# Altium PCB Length Bar Comparator.PcbDoc (part 2 of 6) (continued)
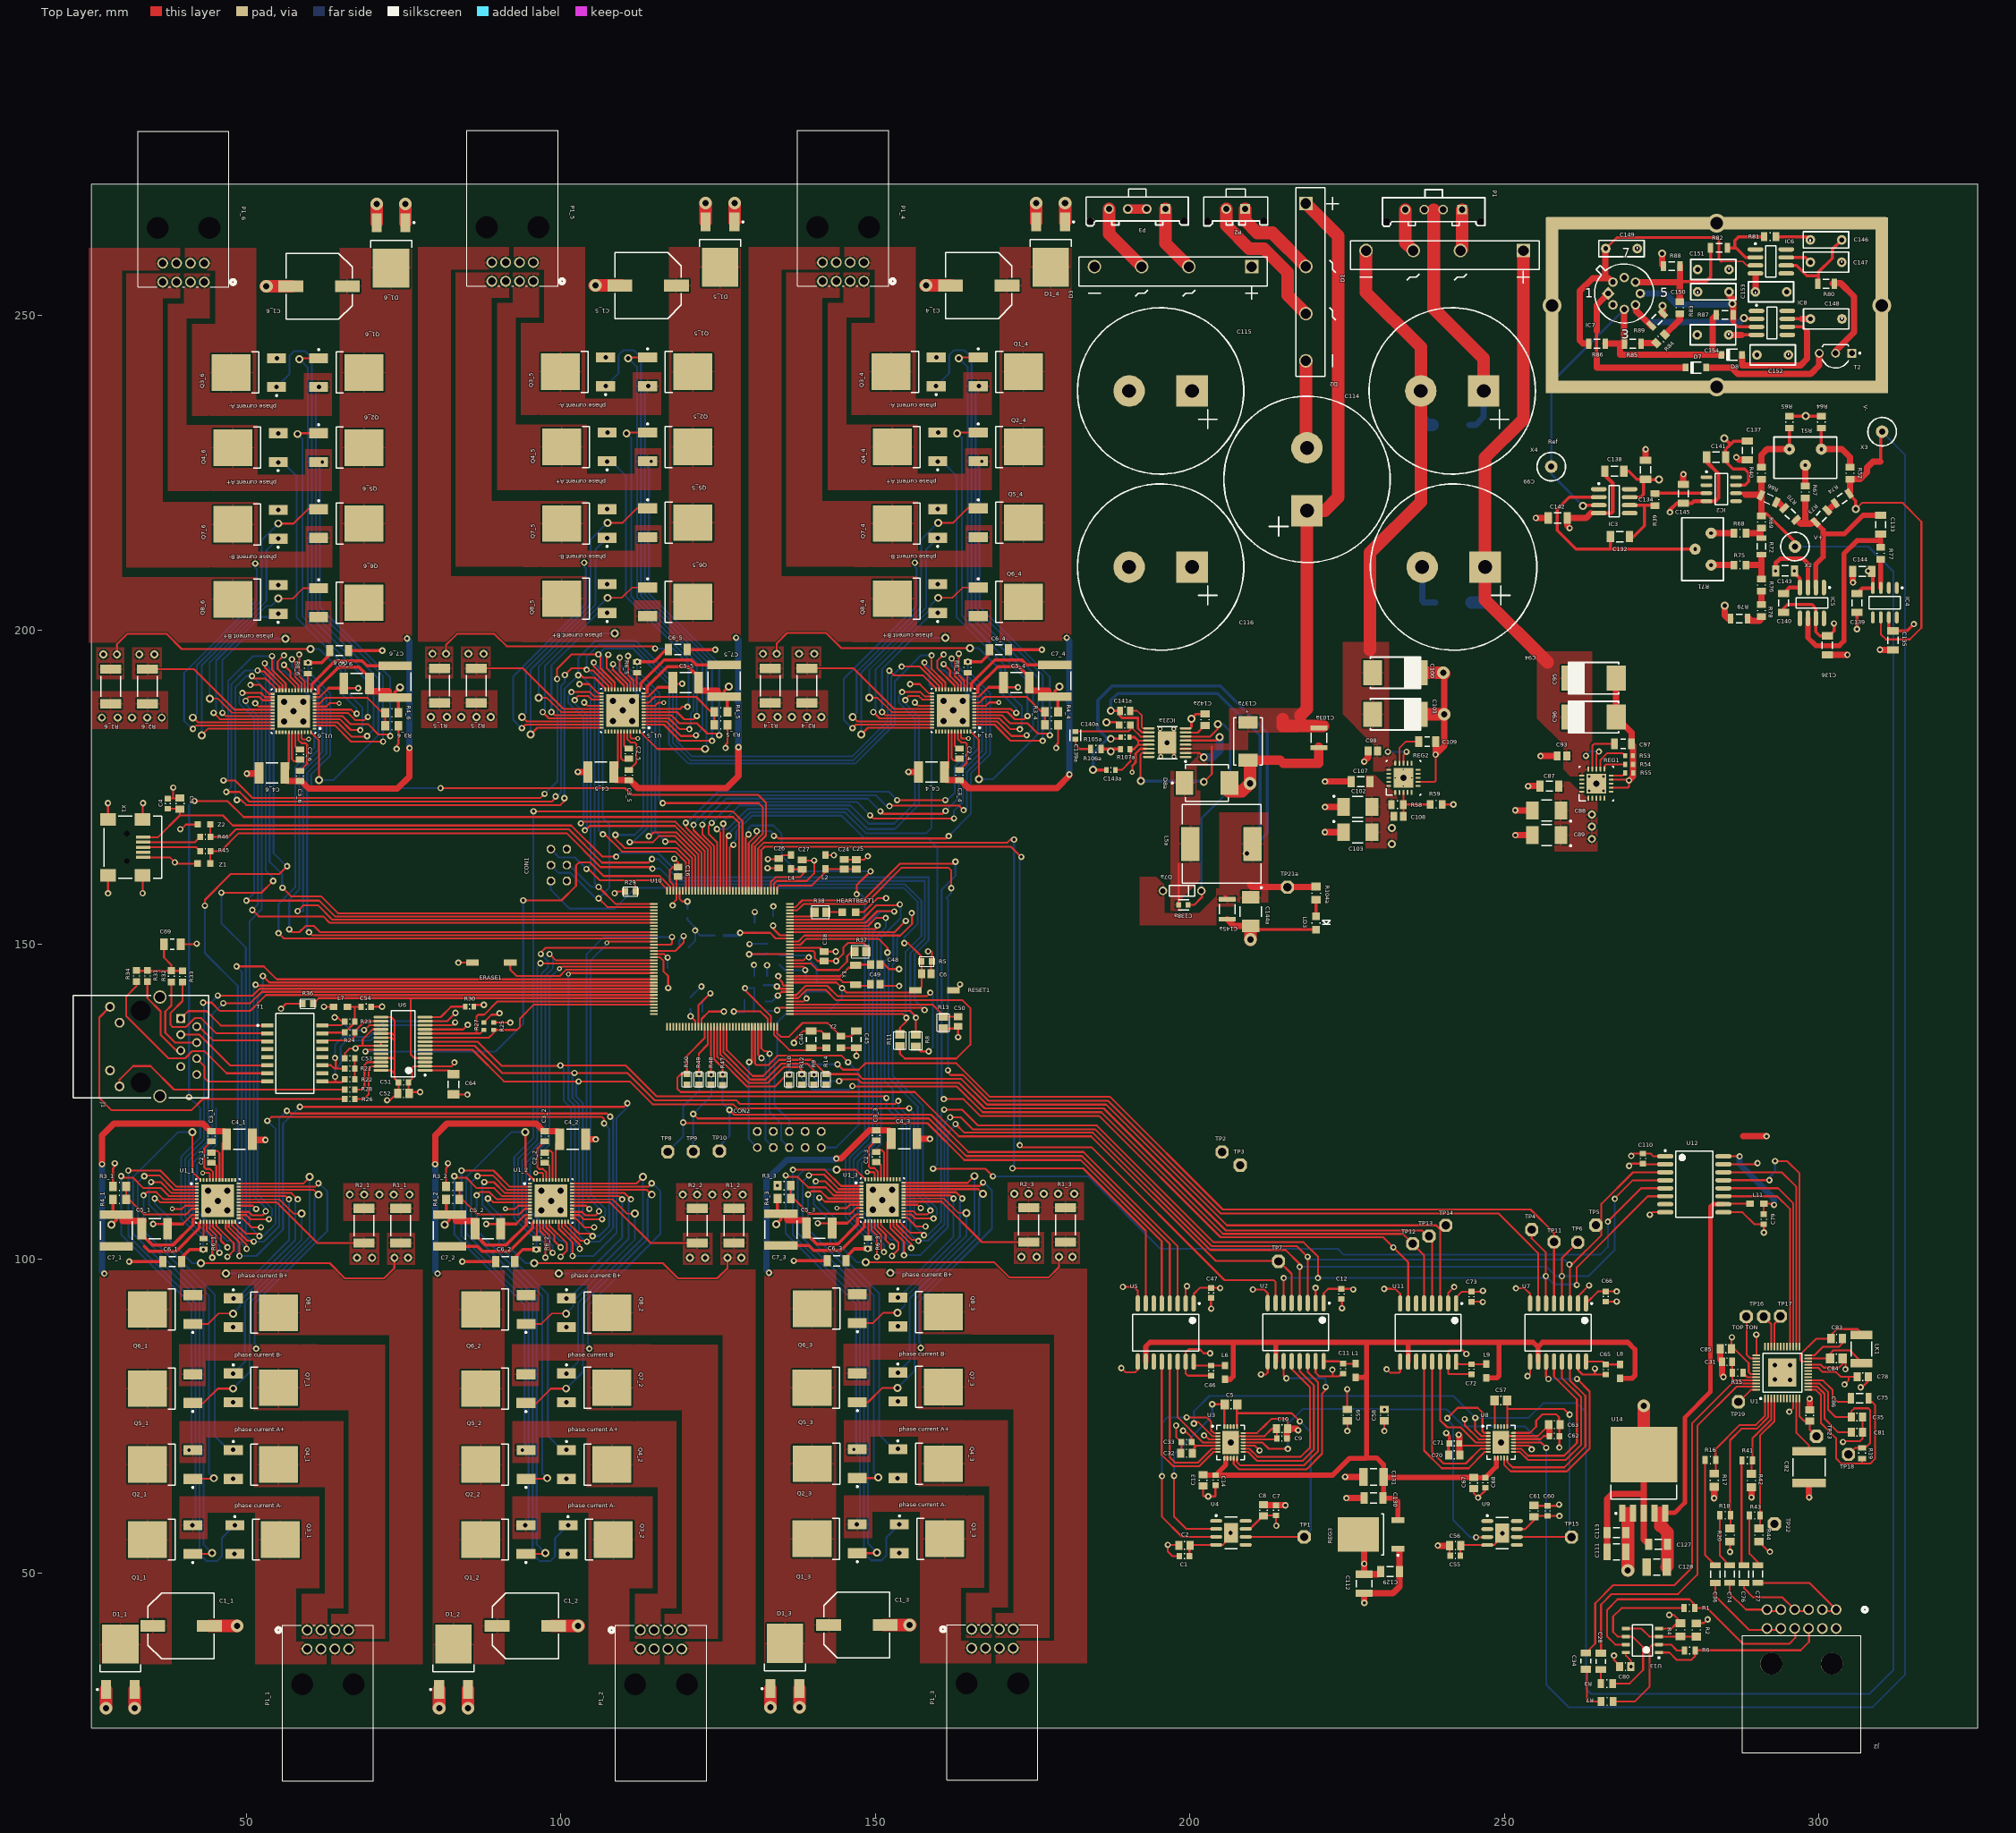
[diagram p0: Top Layer view]
## Part data (continued)
R1 R6: library part CMP-1013-00816-1, "510K 0.125W 1% 0805 (2012 Metric)  SMD", Case-EIA=0805, Case-Metric=2012, Power="0.125 W", Tolerance="1 %", Technology=SMT
R1_1 R1_2 R1_3 R1_4 R1_5 R1_6 R2_1 R2_2 R2_3 R2_4 R2_5 R2_6: library part CMP-2000-07420-1, "Chip Resistor, 50 mOhm, +/- 1%, 1 W, -65 to 170 degC, 2512 (6432 Metric), RoHS, Tape and Reel", Manufacturer=Vishay, Package Description="2-Pin Surface Mount Device, Body 6.35 x 3.18 mm", Package Reference=2512, Power Rating=1W, Resistance=0.05ohm, Resistance Tolerance=±1%, Resistor Case Style=2512[6432Metric], Resistor Element Type=MetalStrip, Temperature Coefficient=±75ppm/°C, Automotive Qualification Standard=AEC-Q200, Datasheet URL=http://www.vishay.com/docs/30100/wsl.pdf, Datasheet Version=07/2016, Manufacturer URL=http://www.vishay.com/, Mounting Technology=SurfaceMount, MSL=MSL1-Unlimited, Packaging=CutTape, Product Range=WSLSeries, SVHC=NoSVHC(15-Jun-2015)
R2 R4: library part CMP-1013-00623-1, "10K 0.125W 1% 0805 (2012 Metric)  SMD", Case-EIA=0805, Case-Metric=2012, Power="0.125 W", Tolerance="1 %", Technology=SMT
R3 R7: library part CMP-1013-00678-1, "31K6 0.125W 1% 0805 (2012 Metric)  SMD", Case-EIA=0805, Case-Metric=2012, Power="0.125 W", Tolerance="1 %", Technology=SMT
R3_1 R3_2 R3_3 R3_4 R3_5 R3_6 R17 R20 R42 R44 R104a: library part CMP-1013-00510-1, "1K 0.125W 1% 0805 (2012 Metric)  SMD", Case-EIA=0805, Case-Metric=2012, Power="0.125 W", Tolerance="1 %", Technology=SMT
R4_1 R4_2 R4_3 R4_4 R4_5 R4_6: library part CMP-1013-00528-1, "1K5 0.125W 1% 0805 (2012 Metric)  SMD", Case-EIA=0805, Case-Metric=2012, Power="0.125 W", Tolerance="1 %", Technology=SMT
R5 R9 R10 R12 R14 R29 R36 R47 R48 R49 R50: library part R-EU_R0603, "RESISTOR, European symbol"
R6_1 R6_2 R6_3 R6_4 R6_5 R6_6 R15: library part CMP-1013-00595-1, "5K6 0.125W 1% 0805 (2012 Metric)  SMD", Case-EIA=0805, Case-Metric=2012, Power="0.125 W", Tolerance="1 %", Technology=SMT
R8 R11 R13 R37 R38: library part R-US_R0805, "RESISTOR, American symbol"
R16 R18 R41 R43: library part CMP-1013-00695-1, "43K2 0.125W 1% 0805 (2012 Metric)  SMD", Case-EIA=0805, Case-Metric=2012, Power="0.125 W", Tolerance="1 %", Technology=SMT
R19: library part CMP-1013-00401-1, "110R 0.125W 1% 0805 (2012 Metric)  SMD", Case-EIA=0805, Case-Metric=2012, Power="0.125 W", Tolerance="1 %", Technology=SMT
R21 R22 R23 R24: library part CMP-1012-00363-1, "49R9 0.1W 1% 0603 (1608 Metric)  SMD", Case-EIA=0603, Case-Metric=1608, Power="0.1 W", Tolerance="1 %", Technology=SMT
R25 R27: library part CMP-2000-06685-1, "Chip Resistor, 10 KOhm, +/- 1%, 0.1 W, -55 to 155 degC, 0603 (1608 Metric), RoHS, Tape and Reel", Manufacturer=Rohm, Operating Temperature=-55°C~155°C, Package / Case=0603(1608Metric), Package Description="2-Pin Surface Mount Device, Body 1.60 x 0.80 mm", Package Reference=0603, Power (Watts)=0.1W,1/10W, Resistance (Ohms)=10k, Standard Package=5,000, Temperature Coefficient=±100ppm/°C, Tolerance=±1%, Category=Resistors, Composition=ThickFilm, Datasheet URL=http://rohmfs.rohm.com/en/products/databook/datasheet/passive/resistor/chip_resistor/mcr_g.pdf, Datasheet Version="Rev. F, 02/2015", EDA / CAD Models=DownloadfromAcceleratedDesigns, Family=ChipResistor-SurfaceMount, Features=-, Height="0.022\"(0.55mm)", Manufacturer URL=http://www.rohm.com/web/global/, Mounting Technology=SurfaceMount, Number of Terminations=2, Online Catalog=MCR03Series, Other Names=RHM10.0KCFTR, Packaging=Tape&Reel(TR), Series=MCR, Size / Dimension="0.063\"Lx0.031\"W(1.60mmx0.80mm)", Supplier Device Package=0603(1608Metric)
R26 R28: library part CMP-1012-00491-1, "680R 0.1W 1% 0603 (1608 Metric)  SMD", Case-EIA=0603, Case-Metric=1608, Power="0.1 W", Tolerance="1 %", Technology=SMT
R30: library part CMP-1012-00549-1, "2K32 0.1W 1% 0603 (1608 Metric)  SMD", Case-EIA=0603, Case-Metric=1608, Power="0.1 W", Tolerance="1 %", Technology=SMT
R31 R32 R33 R34: library part CMP-1012-00383-1, "75R 0.1W 1% 0603 (1608 Metric)  SMD", Case-EIA=0603, Case-Metric=1608, Power="0.1 W", Tolerance="1 %", Technology=SMT
R39 R40 R52 R58 R59 R64 R65 R67 R68 R69 R75 R76 R77 R78 R81 R83 R84: library part CMP-1013-00849-1, "1M 0.125W 1% 0805 (2012 Metric)  SMD", Case-EIA=0805, Case-Metric=2012, Power="0.125 W", Tolerance="1 %", Technology=SMT
R45 R46: library part CMP-1012-00035-1, "24R 0.1W 5% 0603 (1608 Metric)  SMD", Case-EIA=0603, Case-Metric=1608, Power="0.1 W", Tolerance="5 %", Technology=SMT
R51 R71: library part "Vishay Trimmer"
R53 R54 R55: library part CMP-2000-06972-1, "Chip Resistor, 0 Ohm, +/- 5%, 0.1 W, -55 to 155 degC, 0603 (1608 Metric), RoHS, Tape and Reel", Manufacturer=Samsung-Electro-Mechanics-America,-Inc., Operating Temperature=-55°C~155°C, Package / Case=0603(1608Metric), Package Description="2-Pin Chip Resistor, Body 1.6 x 0.8 mm", Package Reference=0603, Power (Watts)=0.1W,1/10W, Resistance (Ohms)=0R, Temperature Coefficient=-, Tolerance=Jumper, Category=Resistors, Composition=ThickFilm, Datasheet URL=http://static6.arrow.com/aropdfconversion/3cece72dd289ffbadc164fbcd05f638dd7240f7b/rc_datasheet_150330.pdf.pdf?authToken=eyJ0eXAiOiJKV1QiLCJhbGciOiJIUzI1NiJ9.eyJTZXNzaW9uSWQiOiJtY3ZlYXdxYmptZXdpdXdyeG1ha2FxdWciLCJEb3dubG9hZFR5cGUiOiJEYXRhc2hlZXRzIiwiaXNzIjoic2VsZiIsImF1ZCI6Imh0dHA6Ly9kYXRhc2hlZXRhdXRoLmFycm93LmNvbSIsImV4cCI6MTQ3Njg1OTQ5NiwibmJmIjoxNDc2ODU5Mzc2fQ.1rZWSrRNyHkP6J5YmszFzS2kzmlbN9BKNvWJ4ACiP-Q, Datasheet Version=09/2015, Family=ChipResistor-SurfaceMount, Features=MoistureResistant, Height="0.022\"(0.55mm)", Manufacturer URL=http://www.samsungsem.com/global/index.jsp, Mounting Technology=SurfaceMount, Number of Terminations=2, Packaging=Digi-Reel®, Series=RC, Size / Dimension="0.063\"Lx0.031\"W(1.60mmx0.80mm)", Supplier Device Package=0603
R56 R57: library part CMP-2000-06974-1, "Chip Resistor, 0 Ohm, Jumper, 1 W, -55 to 125 degC, 2512 (6432 Metric), RoHS, Tape and Reel", Manufacturer=Yageo, Package Description="2-Pin Surface Mount Device, Body 6.35 x 3.1 mm", Package Reference=2512, Power Rating=2W, Resistance=0ohm, Resistance Tolerance=±5%, Resistor Case Style=2512[6432Metric], Resistor Element Type=ThickFilm, Temperature Coefficient=±300ppm/°C, Voltage Rating=200V, Automotive Qualification Standard=-, Datasheet URL=http://www.yageo.com/documents/recent/PYu-RC_Group_51_RoHS_L_7.pdf, Datasheet Version="Rev. 7, 05/2017", Manufacturer URL=http://www.yageo.com/, Mounting Technology=SurfaceMount, MSL=MSL1-Unlimited, Packaging=CutTape, Product Range=RCSeries, SVHC=ToBeAdvised
R66 R70 R72 R73 R74 R79 R80 R82 R85 R86 R87 R88 R89: library part CMP-2003-03538-1, Manufacturer=Yageo, Part Number=RC1206FR-0710K2L
R105a: library part CMP-1012-00767-1, "196K 0.1W 1% 0603 (1608 Metric)  SMD", Case-EIA=0603, Case-Metric=1608, Power="0.1 W", Tolerance="1 %", Technology=SMT
R106a: library part CMP-1013-00098-1, "10K 0.125W 5% 0805 (2012 Metric)  SMD", Case-EIA=0805, Case-Metric=2012, Power="0.125 W", Tolerance="5 %", Technology=SMT
R107a: library part CMP-2100-03662-1, "Chip Resistor, 100 KOhm, +/- 1%, 0.1 W, -55 to 155 degC, 0603 (1608 Metric), RoHS, Tape and Reel", Case/Package=0603, Case Code (Metric)=1608, Manufacturer=Yageo, Max Operating Temperature=155degC, Min Operating Temperature=-55degC, Package Description="2-Pin Surface Mount Device, Body 1.6 x 0.8 mm", Power Rating=100mW, Resistance=100K, Temperature Coefficient=100ppm/degreesC, Tolerance=1%, Voltage Rating=50V, Case Code (Imperial)=0603, Composition=ThickFilm, Datasheet URL=http://www.yageo.com/NewPortal/yageodocoutput?fileName=/pdf/R-Chip/PYu-RC_Group_51_RoHS_L_5.pdf, Datasheet Version="Rev. 5, 10/2016", Depth=0.8mm, Height=0.45mm, Lead Free=LeadFree, Length=1.6mm, Manufacturer URL=http://www.yageo.com/, Military Standard=Not, Number of Pins=2, Package Reference=0603, Packaging=TapeandReel, REACH SVHC=NoSVHC, RoHSCompliant=true, Termination=SMD/SMT, Voltage Rating (DC)=50V, Width=0.8mm
REG2: library part CMP-0395-01391-2, "Single Output High PSRR LDO, 1 A, Adjustable -1.18 to -33 V Output, -3 to -36 V Input, with Ultra-Low Noise, 20-pin VQFN (RGW), -40 to 125 degC, Green (RoHS & no Sb/Br)", Manufacturer="Texas Instruments", Accuracy(%)=1.5, Code_JEDEC=MO-220, ComponentLink1Description="Manufacturer URL", ComponentLink1URL=http://www.ti.com/, ComponentLink2Description=Datasheet, ComponentLink2URL=http://www.ti.com/general/docs/lit/getliterature.tsp?genericPartNumber=TPS7A3301&fileType=pdf, ComponentLink3Description="Package Specification", ComponentLink3URL=http://www.ti.com/litv/pdf/mpqf122b, DatasheetVersion=SBVS169B, Eco-Plan="Green (RoHS & no Sb/Br)", Iout(Max)(A)=1, Iq(Typ)(mA)=0.21, Mounting Technology="Surface Mount", PackageDescription="20-Pin Plastic Quad Flat No-Pin, 5 x 5 mm Body, 0.65 mm Pitch, 3.15 x 3.15 mm Exposed Pad", PackageReference=RGW0020A, PartId=1, PartNumber=TPS7A3301RGWR, SubFamily="Single Channel LDO", Vdo(Typ)(mV)=290, Vin(Max)(V)=-36, Vin(Min)(V)=-3, Vout Adj(Max)(V)=-33, Vout Adj(Min)(V)=-1.18
REG3: library part CMP-0244-00216-1, "Positive Voltage Regulator, 3-Pin DPAK, Tape and Reel", ComponentLink1Description="Manufacturer URL", ComponentLink1URL=http://www.st.com, ComponentLink2Description=Datasheet, ComponentLink2URL=http://www.st.com/internet/com/TECHNICAL_RESOURCES/TECHNICAL_LITERATURE/DATASHEET/CD00000444.pdf, DatasheetVersion=16/11/2011, PackageDescription="3-Pin Transistor Outline Package 2.28 mm Pitch, 9.7 mm Lead Span (DPAK)", PackageReference=TO-252, PackageVersion=2011
T1: library part CMP-0840-00001-1, "Magnetics Modules for LAN Application, 10/100 Base-T Magnetics Module, 1 Port, 0 to 70 degC, 16-Pin SMD, RoHS, Tape and Reel", Inductance L="350 uH min.", Manufacturer=EPCOS, Operating Temperature Range="0 to 70 degC", Voltage Test="1500 V AC", ComponentLink1Description="Manufacturer URL", ComponentLink1URL=http://www.epcos.com/, ComponentLink2Description=Datasheet, ComponentLink2URL=http://www.epcos.com/inf/30/ds/lan_mod/B78476A8065A003.pdf, ComponentLink3Description="Package Specification", ComponentLink3URL=http://www.epcos.com/inf/30/ds/lan_mod/B78476A8065A003.pdf, DatasheetVersion=08/2012, Insertion loss="-1.0 dB max.", Mounting Technology="Surface Mount", PackageDescription="16-Pin Surface Mount Device, Body 12.7 x 7.11 mm, Pitch 1.27 mm", PackageReference=B78476A8065A003-16, PackageVersion=08/2012, Packing="Tape and Reel", PartNumber=B78476A8065A003, Ports=1, RoHS=TRUE, Turns Ratio="1CT +/- 3%", Weight="0.8 g"
T2: library part CMP-1048-01583-1, "Amplifier Transistor, NPN Silicon, 3-Pin TO-92, Pb-Free, Ammo Box", Manufacturer="On Semiconductor", ComponentLink1Description="Manufacturer URL", ComponentLink1URL=http://www.onsemi.com/, ComponentLink2Description=Datasheet, ComponentLink2URL=http://www.onsemi.com/pub_link/Collateral/BC337-D.PDF, ComponentLink3Description="Package Specification", ComponentLink3URL=http://www.onsemi.com/pub_link/Collateral/MAC97-D.PDF, DatasheetVersion="Rev. 8", IC Continuous (A)=0.8, Mounting Technology="Through Hole", PackageDescription="3-Pin Transistor Outline, Body 4.825 x 3.685 mm, Pitch 1.27 mm", PackageReference=TO-92-3-29-11_AM_BL, PackageVersion="Rev. AM", Packing="Ammo Box", PartNumber=BC337-40ZL1G, Polarity=NPN, RoHS=TRUE
"TOP TON" TP1 TP2 TP3 TP4 TP5 TP6 TP7 TP8 TP9 TP10 TP11 TP12 TP13 TP14 TP15 TP16 TP17 TP18 TP19 TP21a TP22 TP23: "TEST PIN"
  TP1 TP15: TP_SIGNAL_NAME=DAC2OUT
  TP21a: TP_SIGNAL_NAME=>TP_SIGNAL_NAME
U1_1 U1_2 U1_3 U1_4 U1_5 U1_6: library part CMP-1325-00002-1, "Micro-Stepping Stepper Motor Bridge Controller, 6 to 30 V, -40 to 170 degC, 48-Pin QFN (485AJ-01), RoHS, Tape and Reel", Current Sense="External Resistor", Manufacturer="ON Semiconductor", ComponentLink1Description="Manufacturer URL", ComponentLink1URL=http://www.onsemi.com/, ComponentLink2Description=Datasheet, ComponentLink2URL=http://www.onsemi.com/pub_link/Collateral/AMIS-30422-D.PDF, ComponentLink3Description="Package Specification", ComponentLink3URL=http://www.onsemi.cn/pub_link/Collateral/485AJ.PDF, DatasheetVersion="Rev. 0", Feedback Method="Back EMF/Sensorless", IO Max (A)=15, IO Peak Max (A)=20, Mounting Technology="Surface Mount", PackageDescription="48-Pin Quad Flat No-Lead Package, Body 7 x 7 mm, Pitch 0.5 mm", PackageReference=QFN-48-485AJ-01, PackageVersion="Rev. O", Packing="Tape and Reel", PartId=1, PartNumber=AMIS30422C422MNTWG, RoHS=TRUE, Type=Stepper, VCC Max (V)=30, VCC Min (V)=6
U2 U5 U7 U11 U12: library part CMP-0534-00565-1, "Quad Channel Digital Isolator, 2.5 KV rms Insulation Rating, 10 Mbps Data Rate, 50 ns Delay, Industrial, 16-pin SOIC (RW-16), Tube", Manufacturer="Analog Devices", Max Operating Temp (degreesC)=125, Code_JEDEC=MS-013-AA, ComponentLink1Description="Manufacturer URL", ComponentLink1URL=http://www.analog.com/en/index.html, ComponentLink2Description=Datasheet, ComponentLink2URL=http://www.analog.com/static/imported-files/data_sheets/ADuM1400_1401_1402.pdf, ComponentLink3Description="Package Specification", ComponentLink3URL=http://www.analog.com/static/imported-files/packages/PKG_PDF/SOIC_WIDE%20%28RW%29/RW_16.pdf, ComponentLink4Description="URL Link1", ComponentLink4URL="Product URL:http://www.analog.com/en/interface-isolation/digital-isolators/adum1401/products/product.html", ComponentLink5Description="URL Link2", ComponentLink5URL="Reference Circuit:http://www.analog.com/en/interface-isolation/digital-isolators/adum1401/products/product.html#product-recommendations", DatasheetVersion="Rev. H", Max Data Rate=10Mbps, Mounting Technology="Surface Mount", PackageDescription="16-Pin Standard Small Outline Package, Body 10.3 x 7.5 mm, Pitch 1.27 mm", PackageReference=RW-16, PackageVersion="032707-B, 03/2007", PartNumber=ADUM1401BRWZ
U3 U8: library part CMP-0318-00532-2, "Single 20-Bit System Ready Voltage Output Digital-to-Analog Converter, -40 to +125 degC, CP-24-5, Pb-Free, Tray", Generic Part Number=AD5790, Manufacturer="Analog Devices", # DAC Outputs=1, ComponentLink1Description="Manufacturer URL", ComponentLink1URL=http://www.analog.com/en/index.html, ComponentLink2Description=Datasheet, ComponentLink2URL=http://www.analog.com/static/imported-files/data_sheets/AD5790.pdf, ComponentLink3Description="Package Specification", ComponentLink3URL=http://www.analog.com/static/imported-files/packages/PKG_PDF/LFCSP(CP)/CP_24_5.pdf, ComponentLink4Description="Product URL", ComponentLink4URL=http://www.analog.com/en/digital-to-analog-converters/da-converters/ad5790/products/product.html, DatasheetVersion=Rev.B, Max V+=16.5V, Mounting Technology="Surface Mount", PackageDescription="24-Lead Lead Frame Chip Scale Package [LFCSP_VQ] 4 x 5 mm Body, Very Thin Quad", PackageReference=CP-24-5, PackageVersion=04-11-2012-B, Packing=Tray, PartNumber=AD5790BCPZ, Resolution (Bits)=20, RevisionNote="Component URL fixed", RoHS=Y, Single Supply=No
U4 U9: library part CMP-0384-01432-1, "Single Channel Ultra Low Noise Operational Amplifier, 65 MHz BW, 55 V/us SR, Industrial, 8-pin SOIC (RD-8-1), Reel", Amplifiers Per Package=1, Generic Part Number=ADA4898-1, Input Bias Current=100nA, Input Offset Voltage=20uV, Manufacturer="Analog Devices", Code_JEDEC=MS-012-AA, ComponentLink1Description="Manufacturer URL", ComponentLink1URL=http://www.analog.com/en/index.html, ComponentLink2Description=Datasheet, ComponentLink2URL=http://www.analog.com/static/imported-files/data_sheets/ADA4898-1_4898-2.pdf, ComponentLink3Description="Package Specification", ComponentLink3URL=http://www.analog.com/static/imported-files/packages/PKG_PDF/SOIC_ED(RD)/RD_8_1.pdf, DatasheetVersion="Rev. D", Iq/Amp=7.9mA, Mounting Technology="Surface Mount", PackageDescription="8-Pin Standard Small Outline Package, Body 4.9 x 3.9 mm, Pitch 1.27 mm", PackageReference=RD-8-1, PackageVersion=060506-A, Packing=Reel, PartNumber=ADA4898-1YRDZ-R7, Slew Rate=55V/us, Small Signal Bandwidth=65MHz, V Span Max=33V, V Span Min=9V
U6: library part CMP-0186-00068-2, "Stand-Alone Ethernet Controller with SPI Interface, 28-Pin SSOP", Code_JEDEC=MS-150, ComponentLink1Description="Manufacturer URL", ComponentLink1URL=http://www.microchip.com/, ComponentLink2Description=Datasheet, ComponentLink2URL=http://ww1.microchip.com/downloads/en/DeviceDoc/39662c.pdf, ComponentLink3Description="Package Specification", ComponentLink3URL=http://www.microchip.com/stellent/groups/techpub_sg/documents/packagingspec/en012702.pdf, DatasheetVersion="revC, Jan-2008", PackageDescription="28-Lead Plastic Shrink Small Outline (SS) - 5.3mm Body [SSOP]", PackageReference=SSOP-SS28, PackageVersion="revBB, Aug-2009", RevisionNote="URLs added."
U10: library part ATSAM3X/AAU
U13: library part CMP-0271-00139-3, "Automotive Catalog, Sound Plus, Low-Power, Low-Noise and Distortion, Audio Operational Amplifier, 3 to 36 V, -40 to 85 degC, 8-pin SOIC (D8), Green (RoHS & no Sb/Br)", Manufacturer="Texas Instruments", Rating=Automotive, Total Supply Voltage(Max)(+5V is 5, +/-5V is 10)=36, Total Supply Voltage(Min)(+5V is 5, +/-5V is 10)=3, CMRR(Min)(dB)=106, Code_JEDEC=MS-012, ComponentLink1Description="Manufacturer URL", ComponentLink1URL=http://www.ti.com/, ComponentLink2Description=Datasheet, ComponentLink2URL=http://www.ti.com/lit/ds/symlink/opa1662-q1.pdf, ComponentLink3Description="Package Specification", ComponentLink3URL=http://www.ti.com/litv/pdf/msoi002j, DatasheetVersion=SLOS805B, Eco-Plan="Green (RoHS & no Sb/Br)", GBW(Typ)(MHz)=22, IIB(Max)(pA)=1200000, Iq per channel(Max)(mA)=1.8, Mounting Technology="Surface Mount", Number of Channels=2, Offset Drift(Typ)(uV/C)=2, PackageDescription="8-Pin Plastic Small Outline, Body 4.9 x 3.9 mm, Pitch 1.27 mm", PackageReference=D0008A, PackageVersion="4040047-3/M, 06/2011", Packing="LARGE T&R", PartId=1, PartNumber=OPA1662AIDRQ1, Slew Rate(Typ)(V/us)=17, Sub Family="High Supply Voltage Amplifier (>=30V), Low Noise Amp (<=10nV/rtHz), Precision Amplifier", Vio (25C)(Max)(mV)=1.5
U14: library part CMP-0476-01176-1, "3 A, Fast Transient Response, Low Noise, LDO Regulator, 2.7 to 20 V Vin, 3.3 V Vout, 5-pin DPAK (Q-5), -40 to 125 degC, Pb-Free", Dropout Voltage(V)=0.34, Manufacturer="Linear Technology", Output Voltage="3.3 V", Shutdown Current(uA)=0.01, ComponentLink1Description="Manufacturer URL", ComponentLink1URL=http://www.linear.com/, ComponentLink2Description=Datasheet, ComponentLink2URL=http://cds.linear.com/docs/en/datasheet/1764afb.pdf, ComponentLink3Description="Package Specification", ComponentLink3URL=http://cds.linear.com/docs/en/packaging/Q%20DD5%2005-08-1461%20Rev%20F.pdf, DatasheetVersion="Rev. B", Discrete Pass Element=no, Iout(mA)=3000, Isupply(mA)=1, Mounting Technology="Surface Mount", Noise(uV)=40, Number of Outputs=1, PackageDescription="5-Pin Plastic DD Pak, Body 10.2235 x 8.89 mm, Pitch 1.702 mm", PackageReference=Q-5, PackageVersion="Rev. F, 09/2011", PartNumber=LT1764AEQ-3.3#PBF, PSRR(dB)=63, RoHS=TRUE, Vin Max(V)=20, Vin Min(V)=2.7
X1: library part CMP-2000-05407-1, "Surface Mount Type B Mini USB, 5 Positions, 0.8 mm Pitch, 0 to 50 degC, RoHS, Tape and Reel", Color=Black, Manufacturer="TE Connectivity", Maximum Current Rating=N/A, Body Orientation=RightAngle, Contact Material=PhosphorBronze, Contact Plating=GoldOverNickel, Datasheet URL=https://datasheet.ciiva.com/11759/0900766b80ed62f8-11759638.pdf, Datasheet Version="Rev. B1, 07/2010", Dimension=4.14mm, Gender=RCP, Housing Material=Thermoplastic, Manufacturer URL=http://www.te.com/, Maximum Voltage Rating=N/A, Mounting=SurfaceMount, Number of Contacts=5, Number of Ports=1, Number of Terminals=5, Operating Temperature=N/A, Packaging=TapeandReel, Part No=1734035-2, Pitch=0.8mm, RoHS=Yes, Termination Method=Solder, Type=USB
Y1: library part ARDUINO_WIFI_SHIELD_V018_TG_RESONATOR_EPSON_FC_145, 1=1, 2=2
Y2: library part CRYSTAL-3.2-2.5, 1=1, 2=2, 3=3
Z1 Z2: library part VARISTORCN0603, "VARISTOR"

## Free pads (board coordinates)
  rect 2x28 smd: 0(257.531,251.612) 0(309.982,251.612)
  rect 54x2 smd: 0(283.693,264.693) 0(283.82,238.658)

## Via types
v1: diameter 1.016, hole 0.508, Top Layer to Bottom Layer, 512 vias
v2: diameter 1.27, hole 0.711, Top Layer to Bottom Layer, 194 vias
v3: diameter 1.5, hole 1, Top Layer to Bottom Layer, 31 vias
v4: diameter 2, hole 1, Top Layer to Bottom Layer, 24 vias
v5: diameter 0.762, hole 0.381, Top Layer to Bottom Layer, 20 vias
v6: diameter 1, hole 0.7, Top Layer to Bottom Layer, 6 vias
v7: diameter 1.27, hole 0.7, Top Layer to Bottom Layer, 6 vias
v8: diameter 3, hole 2, Top Layer to Bottom Layer, 4 vias
v9: diameter 0.5, hole 0.2, Top Layer to Bottom Layer, 4 vias
v10: diameter 1.4, hole 1, Top Layer to Bottom Layer, 2 vias
v11: diameter 1, hole 0.5, Top Layer to Bottom Layer, 1 vias
v12: diameter 1, hole 0.75, Top Layer to Bottom Layer, 1 vias

## Nets (pads, with @x,y where several pads share a name; then routed paths per layer and width w, separated by ;. In a path a pad name is that pad's centre, name@x,y a point inside that pad or via, vN(x,y) a via of type N, cw(c..) or ccw(c..) an arc to the next point about the centre after c; other vN are vias at no path point)
+1V8: C84.2 LK1.2 U1.23 | length 10.2
  Top Layer w0.305: U1.23@298.27,84.178 301.72,84.178 C84.2@301.731,84.189 301.731,84.942 302.248,85.459 304.915,85.459 304.915,85.416 LK1.2@306.718,83.612
+1V8_FRAM: C83.2 LK1.1 U1.22 | length 14.9
  Top Layer w0.305: U1.22@298.27,83.678 297.271,83.678 297.002,83.947 297.002,84.785 299.53,87.313 C83.2@301.588,87.313 ; C83.2@301.881,86.805 301.881,87.912 302.807,88.837 306.109,88.837 306.718,88.228 LK1.1@306.718,87.712
+3V3: C5_1.2 C5_2.2 C5_3.2 C5_4.2 C5_5.2 C5_6.2 C6.1 C12.1 C15.1 C16.1 C17.1 C18.1 C19.1 C21.1 C26.1 C47.1 C51.1 C52.2 C66.1 C73.1 C110.1 C141a.2 C143a.2 C144a.1 C145a.2 CON1.2 CON2.4 CON2.7 D7a.1 ERASE1.P$2 IC21a.10 L2.1 L3.1 L4.1 L5a.2 L7.1 R3_1.2 R3_2.2 R3_3.2 R3_4.2 R3_5.2 R3_6.2 R5.2 R9.2 R10.2 R12.2 R14.2 R27.2 R29.2 R36.2 R37.2 R47.2 R48.2 R49.2 R50.2 R104a.2 R105a.1 TP21a.TP U1_1.11 U1_2.11 U1_3.11 U1_4.11 U1_5.11 U1_6.11 U2.1 U5.1 U6.15 U6.19 U6.20 U6.25 U6.28 U7.1 U10.11 U10.52 U10.57 U10.62 U10.105 U10.125 U11.1 U12.1 | length 325
  Top Layer w0.3: 205.408,157.659 205.709,157.659
  Top Layer w0.305: R3_1.2@28.795,111.506 28.795,114.393 29.083,114.681 v1(29.083,115.189) ; v1(35.179,105.537) C5_1.2@37.737,105.537 ; 39.878,105.537 41.311,106.97 U1_1.11@42.131,106.97 ; v1(55.499,139.776) 56.286,140.564 R36.2@58.916,140.564 ; U1_6.11@60.839,189.321 61.659,189.321 63.092,190.754 ; v1(62.332,140.081) L7.1@63.873,140.081 ; C5_6.2@65.233,190.754 v1(67.791,190.754) ; U6.28@71.405,129.989 73.034,129.989 73.558,129.464 ; U6.25@71.405,131.939 73.268,131.939 73.558,131.648 ; U6.20@71.405,135.189 73.066,135.189 73.558,134.696 ; U6.19@71.405,135.839 73.127,135.839 73.558,135.407 ; U6.15@71.405,138.439 73.016,138.439 73.558,137.897 73.558,135.407 ; v1(72.365,125.222) 72.86,125.222 74.181,126.543 C51.1@74.181,128.067 73.558,128.689 73.558,129.464 ; v1(73.887,181.102) 73.887,181.61 74.175,181.898 R3_6.2@74.175,184.785 ; R3_2.2@81.754,111.506 81.754,114.393 82.042,114.681 v1(82.042,115.189) ; v1(83.693,147.091) ERASE1.P$2@85.951,147.091 ; R27.2@87.732,137.608 88.96,138.836 90.018,138.836 v1(90.246,139.065) ; v1(88.138,105.537) C5_2.2@90.696,105.537 ; 92.837,105.537 94.27,106.97 U1_2.11@95.09,106.97 ; v1(108.534,158.14) 108.814,158.42 R29.2@109.767,158.42 ; U1_5.11@113.138,189.448 113.958,189.448 115.391,190.881 ; U10.125@114.803,148.451 116.42,148.451 v1(116.967,147.904) ; C5_5.2@117.532,190.881 118.091,191.44 v1@119.278,191.44 ; v1(117.754,156.21) 117.754,156.489 118.353,157.088 U10.105@118.353,158.501 118.353,160.529 C16.1@118.618,160.794 ; U10.11@121.853,136.901 121.853,140.319 v1(123.749,142.215) ; v1(126.186,181.229) 126.186,181.737 126.474,182.025 R3_5.2@126.474,184.912 ; v1(132.893,163.551) 134.53,163.551 C26.1@134.62,163.64 135.173,164.193 L4.1@136.55,164.193 ; v1(133.731,152.984) 133.731,152.527 134.807,151.451 U10.62@136.403,151.451 ; U10.52@136.403,146.451 138.613,146.451 138.836,146.228 v1(138.836,145.923) ; U10.57@136.403,148.951 140.126,148.951 140.36,148.717 140.36,147.803 140.806,147.357 C18.1@141.859,147.357 v1(143.739,147.357) 144.882,148.5 144.882,149.479 145.644,150.241 148.057,150.241 148.549,149.748 R37.2@148.549,148.869 ; v1(140.818,105.664) C5_3.2@143.376,105.664 ; L2.1@142.062,164.193 143.375,164.193 v1(143.383,164.186) ; 145.517,105.664 146.95,107.097 U1_3.11@147.77,107.097 ; v1(158.344,148.895) 158.852,148.895 158.99,148.756 R5.2@158.99,147.295 158.84,147.144 C6.1@158.84,145.339 ; U1_4.11@165.691,189.448 166.511,189.448 167.944,190.881 ; C5_4.2@170.085,190.881 v1(172.643,190.881) ; v1(178.739,181.229) 178.739,181.737 179.027,182.025 R3_4.2@179.027,184.912 ; U5.1@200.584,92.915 200.584,94.412 201.562,95.39 C47.1@203.327,95.39 204.762,95.39 v1(204.8,95.352) ; U2.1@221.234,92.968 221.234,94.539 221.932,95.237 C12.1@224.079,95.237 225.87,95.237 v1(225.958,95.148) ; U11.1@242.291,92.915 242.291,93.878 243.205,94.793 C73.1@244.754,94.793 246.431,94.793 v1(246.558,94.92) ; U7.1@262.941,92.915 264.843,94.818 C66.1@266.09,94.818 v1(267.818,94.818) ; v1(270.129,116.383) 270.497,116.751 C110.1@272.009,116.751 273.215,116.751 273.66,116.307 U12.1@275.537,116.307 ; 73.558,129.464 73.558,131.648 ; 73.558,131.648 73.558,134.696 ; 73.558,134.696 73.558,135.407
  Top Layer w0.381: v2(187.392,182.707) 188.574,182.707 R105a.1@188.828,182.961 ; v2(187.392,187.152) 188.828,187.152 188.828,186.35 189.17,186.009 191.71,186.009 191.71,184.358 192.371,183.697 IC21a.10@193.039,183.697
  Top Layer w0.5: C5_1.2@37.737,106.045 38.245,105.537 39.878,105.537 ; 63.092,190.754 64.725,190.754 C5_6.2@65.233,190.246 ; C5_2.2@90.696,106.045 91.204,105.537 92.837,105.537 ; 115.391,190.881 117.024,190.881 C5_5.2@117.532,190.373 ; C5_3.2@143.376,106.172 143.884,105.664 145.517,105.664 ; 167.944,190.881 169.577,190.881 C5_4.2@170.085,190.373 ; v2(184.598,177.754) C143a.2@186.415,177.754
  Top Layer w1: 209.519,159.46 209.876,159.103 TP21a.TP@215.488,159.103 219.96,159.103 R104a.2@220.06,159.203
  Bottom Layer w0.305: v1(116.967,147.904) 116.967,146.317 C15.1@116.992,146.292 ; C21.1@122.491,139.294 122.491,140.957 v1(123.749,142.215) ; C19.1@134.747,146.748 135.572,145.923 v1(138.836,145.923) 138.836,146.126 138.887,146.177 L3.1@138.887,144.686
  Bottom Layer w0.5: v2(184.598,177.754) 184.598,180.421 v2@186.884,182.707 ; v2(187.392,182.707) v2@186.884,182.707 ; v2(187.392,187.152) 187.392,188.803 188.505,189.916 204.394,189.916 211.125,183.185 211.125,168.202 209.011,166.088 v2(209.011,164.437) 212.268,167.694 212.268,183.612 204.791,191.089 187.646,191.089 185.36,188.803 185.36,184.231 v2@186.884,182.707
  other v1: 134.434,111.633 119.278,191.465
+3V3A: C127.2 C128.1 L11.1 U12.10 U14.4 U14.5 | length 69.1
  Top Layer w0.305: U12.10@284.787,108.687 284.863,108.763 L11.1@288.993,108.763
  Top Layer w0.7: 274.726,59.614 277.038,59.614 278.638,61.214 278.638,74.778 282.702,78.842 282.702,108.28 283.108,108.687 U12.10@284.787,108.687
  Top Layer w2: 274.726,59.614 274.726,57.48 274.955,57.48 275.922,56.514 C127.2@275.922,54.61 275.922,51.157 C128.1@275.768,51.003
+5VA: C13.2 C14.1 C67.2 C68.1 C130.2 C131.1 L1.1 L6.1 L8.1 L9.1 REG3.3 U2.10 U3.8 U3.9 U5.10 U7.10 U8.8 U8.9 U11.10 | length 195.9
  Top Layer w0.8: U5.10@192.964,83.665 192.964,86.081 193.624,86.741 206.858,86.741 ; C13.2@202.082,65.695 202.157,65.621 C14.1@204.038,65.621 ; L6.1@205.562,80.84 206.393,80.84 206.858,81.305 206.858,86.741 ; 205.689,68.315 205.689,67.272 C14.1@204.038,65.621 ; U2.10@213.614,83.718 213.614,86.741 ; L1.1@226.314,81.145 227.627,81.145 228.041,81.559 ; REG3.3@233.053,58.465 233.053,61.409 232.486,61.976 C130.2@230.684,61.976 230.759,62.051 C131.1@230.759,65.329 ; 234.671,65.289 234.645,65.264 ; U11.10@234.671,83.665 234.671,86.741 ; L9.1@247.117,81.069 248.76,81.069 249.123,81.432 249.123,86.741 ; 248.673,68.228 248.673,66.948 C68.1@246.939,65.214 245.134,65.214 C67.2@245.085,65.264 234.645,65.264 ; U7.10@255.321,83.665 255.321,85.954 ; L8.1@268.351,81.018 270.299,81.018 270.713,81.432 270.713,85.623 269.596,86.741 256.032,86.741 255.321,86.03 255.321,85.954 ; C14.1@204.038,65.621 222.669,65.621 225.323,68.275 227.94,68.275 228.041,68.377 ; 206.858,86.741 213.614,86.741 ; 213.614,86.741 228.041,86.741 ; 228.041,68.377 228.041,81.559 ; 228.041,68.377 229.667,68.377 230.759,67.285 C131.1@230.759,65.329 ; 228.041,81.559 228.041,86.741 ; 228.041,86.741 249.123,86.741 ; C131.1@230.759,65.329 230.824,65.264 234.645,65.264 ; 249.123,86.741 254.533,86.741 255.321,85.954